# Altium PCB uAMDC.PcbDoc (part 6 of 6)
Units mil, origin at the board's own origin, x right, y up, seen from the top; angles counter-clockwise.
Board outline 4335 x 5120 mil, 6 copper layers (Top Layer, Int1 (GND), Int2 (Sign), Int3 (Sign), Int4 (PWR), Bottom Layer), stack 55.468 mil thick; 396 components, 471 nets, 2094 pads, 683 vias.
Unrouted connection lines stored in the file: 618.
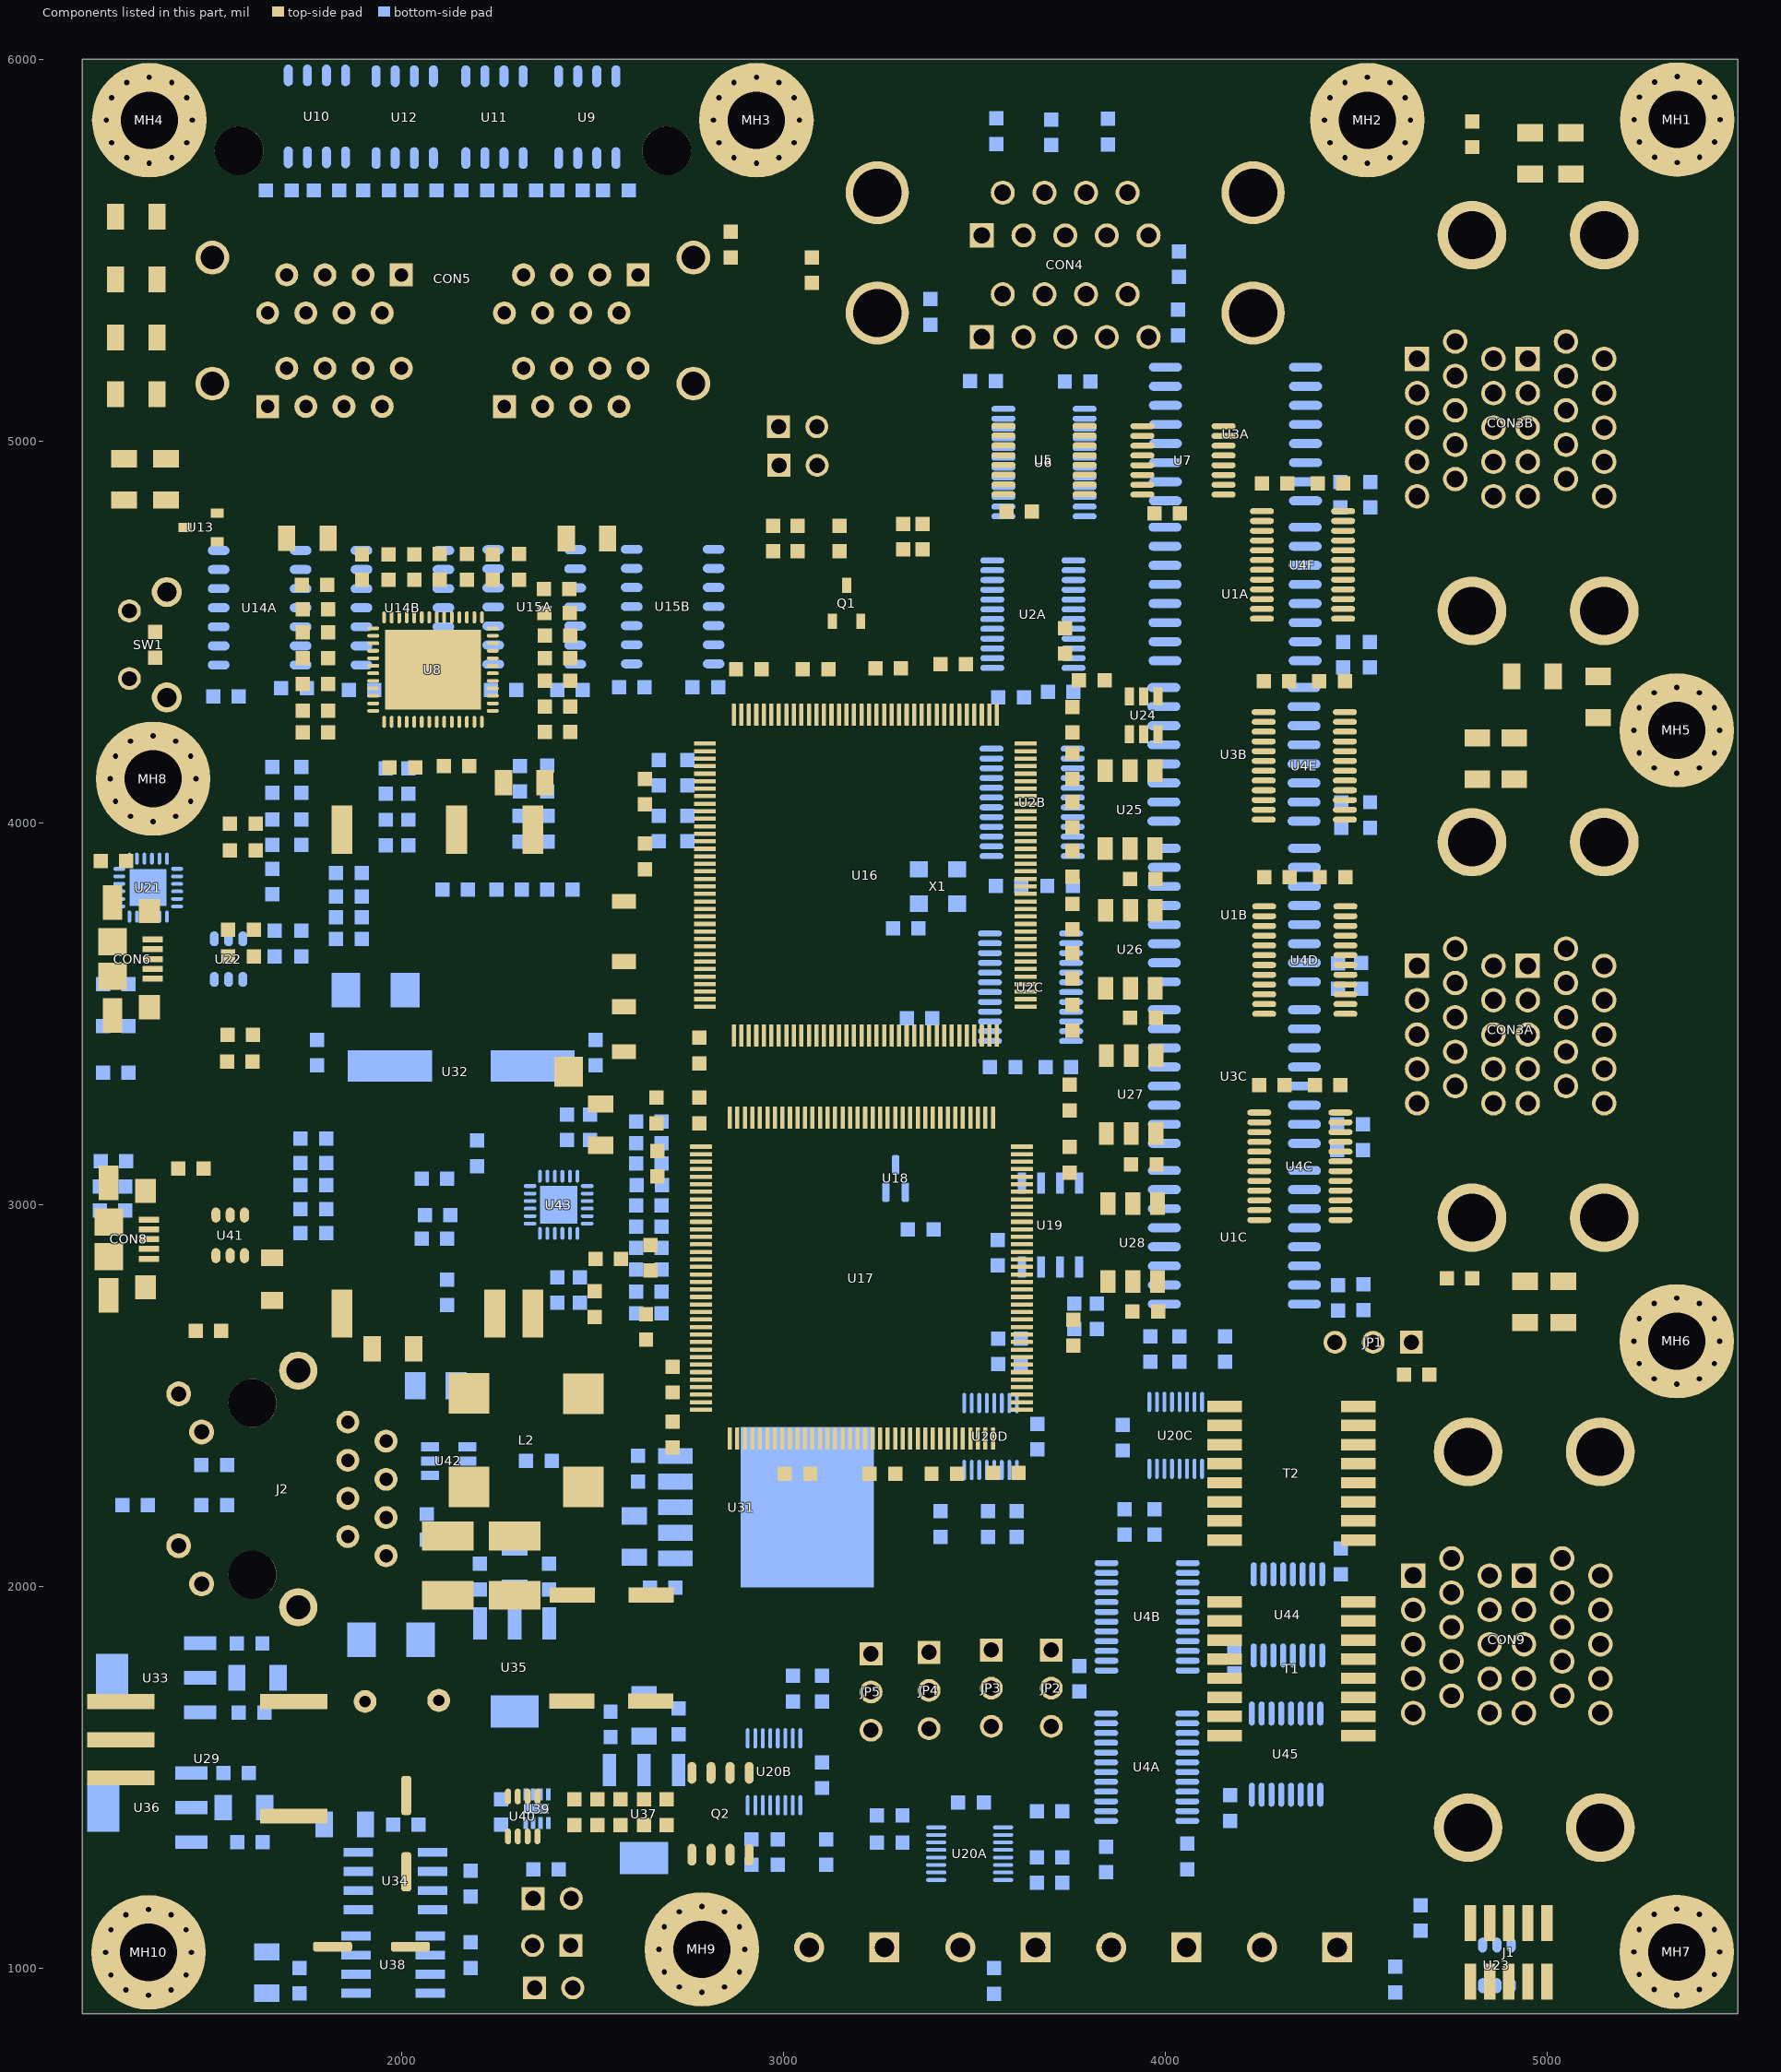
[diagram p10: the components of this part, seen from the top]

## Silkscreen, mask and mechanical layers (free items; w line width, h text height)
Top Overlay:
  lines w9.84: 1172,4678 1541,4678 1541,4132 ; 1175,3171 1693,3171 1693,4132 1541,4132 ; 1511,4132 1541,4132 ; 2969.72,1212.48 2969.72,1461 2969.72,1528 3097.72,1528 4550.28,1528 4550.28,1214.48 ; 3365.57,1212.48 3365.57,1526 ; 3759.28,1212.48 3759.28,1526 ; 4155.28,1212.48 4155.28,1526 ; 2870,4486 3475.87,4486 3475.87,4862 2870,4862 2870,4486 ; 3009,1578 3009,2089 3917,2089 3917,1578 3009,1578
  lines w10: 3049.71,1761 3150.29,1761 ; 3300,1602 3300,1863.37 ; 3361.34,4518 3419.87,4518 3419.87,4655.5 ; 3404.87,4640.5 3419.87,4655.5 ; 3434.87,4640.5 3419.87,4655.5 ; 3460.68,1600.63 3460.68,1862 ; 3617.72,1599.63 3617.72,1861
  lines w13.78: 3779,4412 4103.83,4412 4103.83,4714 3779,4714 3779,4412
  text "1:top 2:bottom" at 3661,5279 h39.37 r180
  text "Encoder" at 4348,5171 h47.24 r180
  text "3:top 4:bottom" at 4689,5117 h39.37 r90
  text "VENC2" at 3489.54,5058.16 h39.37 r180
  text "VENC1" at 3471.39,4962.9 h39.37 r180
  text "Analog Inputs" at 2871.26,4844 h47.24 r90
  text "FPGA  DONE" at 3007,4505 h39.37 r90
  text "3.3V PWR" at 3361.34,4501.21 h39.37 r90
  text "Power Stack" at 4585,4499 h47.24 r90
  text "uAMDC" at 3861,4447 h51.18 r90
  text "Severson Group" at 4077,4427 h59.06 r90
  text "RESET" at 1520,4344 h39.37 r90
  text "RGB1" at 4130,3970 h39.37 r90
  text "RGB2" at 4130,3586.02 h39.37 r90
  text "Lattice FPGA" at 2739,3555 h47.24 r90
  text "1:top 2:bottom" at 4697,3532 h39.37 r90
  text "UART" at 1403,3433 h59.06 r180
  text "RGB3" at 4132,3194.19 h39.37 r90
  text "3.RX" at 1403,3193 h39.37 r90
  text "2.TX" at 1320,3191 h39.37 r90
  text "4.SUS" at 1491,3191 h39.37 r90
  text "Power Stack" at 4575,2895 h47.24 r90
  text "RGB4" at 4135,2835 h39.37 r90
  text "3V3" at 4719,2744 h40 r180
  text "5V" at 4498,2742 h40 r180
  text "USB" at 1339,2695 h59.06 r180
  text "PSVDD" at 4400,2675 h40 r180
  text "STM DSP" at 2736.64,2655.15 h47.24 r90
  text "GPIO" at 4997,2534 h47.24 r180
  text "Power Stack Status Direction" at 3794,2079 h40 r180
  text "B" at 3569,1943 h50 r180
  text "C" at 3412,1939 h50 r180
  text "D" at 3253,1937 h50 r180
  text "A" at 3731,1935 h50 r180
  text "Ethernet" at 1590.75,1912.81 h50 r180
  text "IN" at 3148.29,1852 h47.24 r180
  text "OUT" at 3169.29,1738 h47.24 r180
  text "24V" at 3254,1508 h59.06 r180
  text "5V - 18V" at 4093,1492 h39.37 r180
  text "MAX 2A!" at 4471,1488 h39.37 r180
  text "ESTOP" at 3688,1436 h59.06 r180
  text "VDRIVE" at 4056,1413 h39.37 r180
  text "VINPS" at 4444,1410 h39.37 r180
  text "VIN" at 3228,1409 h39.37 r180
  text "+ -" at 3236,1346 h39.37 r180
  text "+ -" at 4011,1345 h39.37 r180
  text "+ -" at 4411.68,1337.43 h39.37 r180
  text "SWD Debug" at 5100,1218.88 h39.37 r180
  text "5.5V" at 2635,1215 h39.37 r180
  text "+15V" at 2635,1085 h39.37 r180
  text "-15V" at 2641,976 h39.37 r180
Mechanical 1:
  the board outline again, w1